# Altium PCB yard-ice-2.PcbDoc (part 1 of 2)
Units mm, origin at the board's own origin, x right, y up, seen from the top; angles counter-clockwise.
Board outline 109.14 x 69.34 mm, 2 copper layers (Top Layer, Bottom Layer), stack 1.611 mm thick; 191 components, 223 nets, 915 pads, 95 vias.
Unrouted connection lines stored in the file: 485.
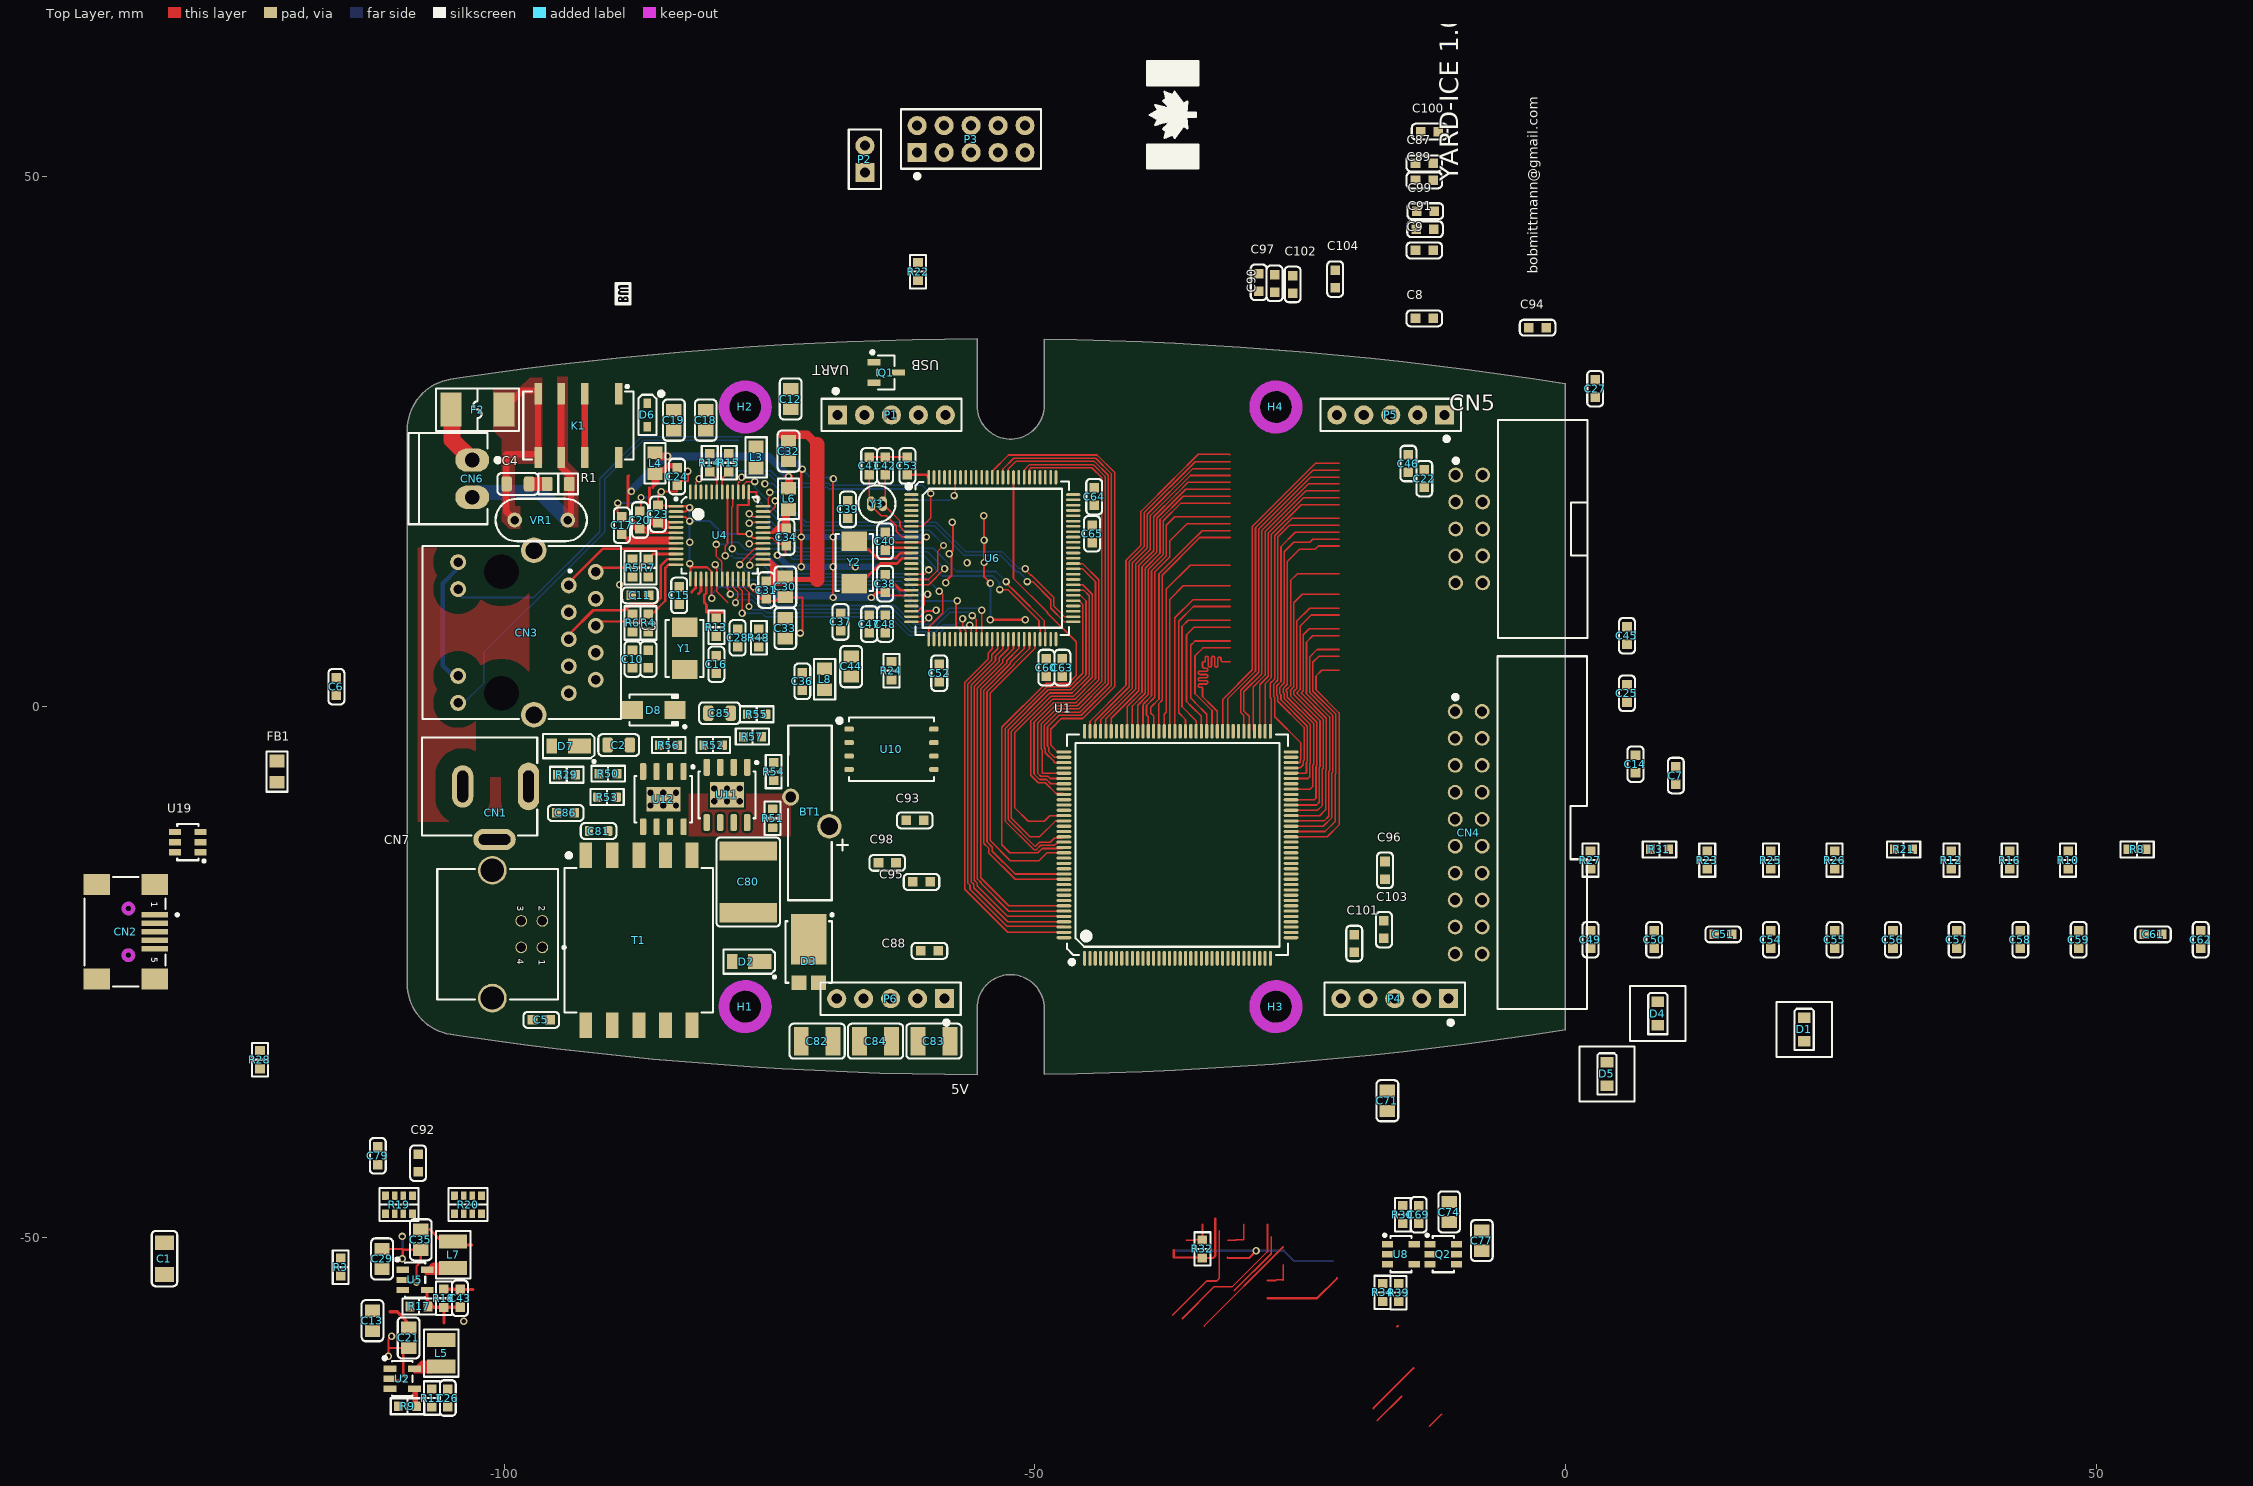
[diagram p0: Top Layer view]
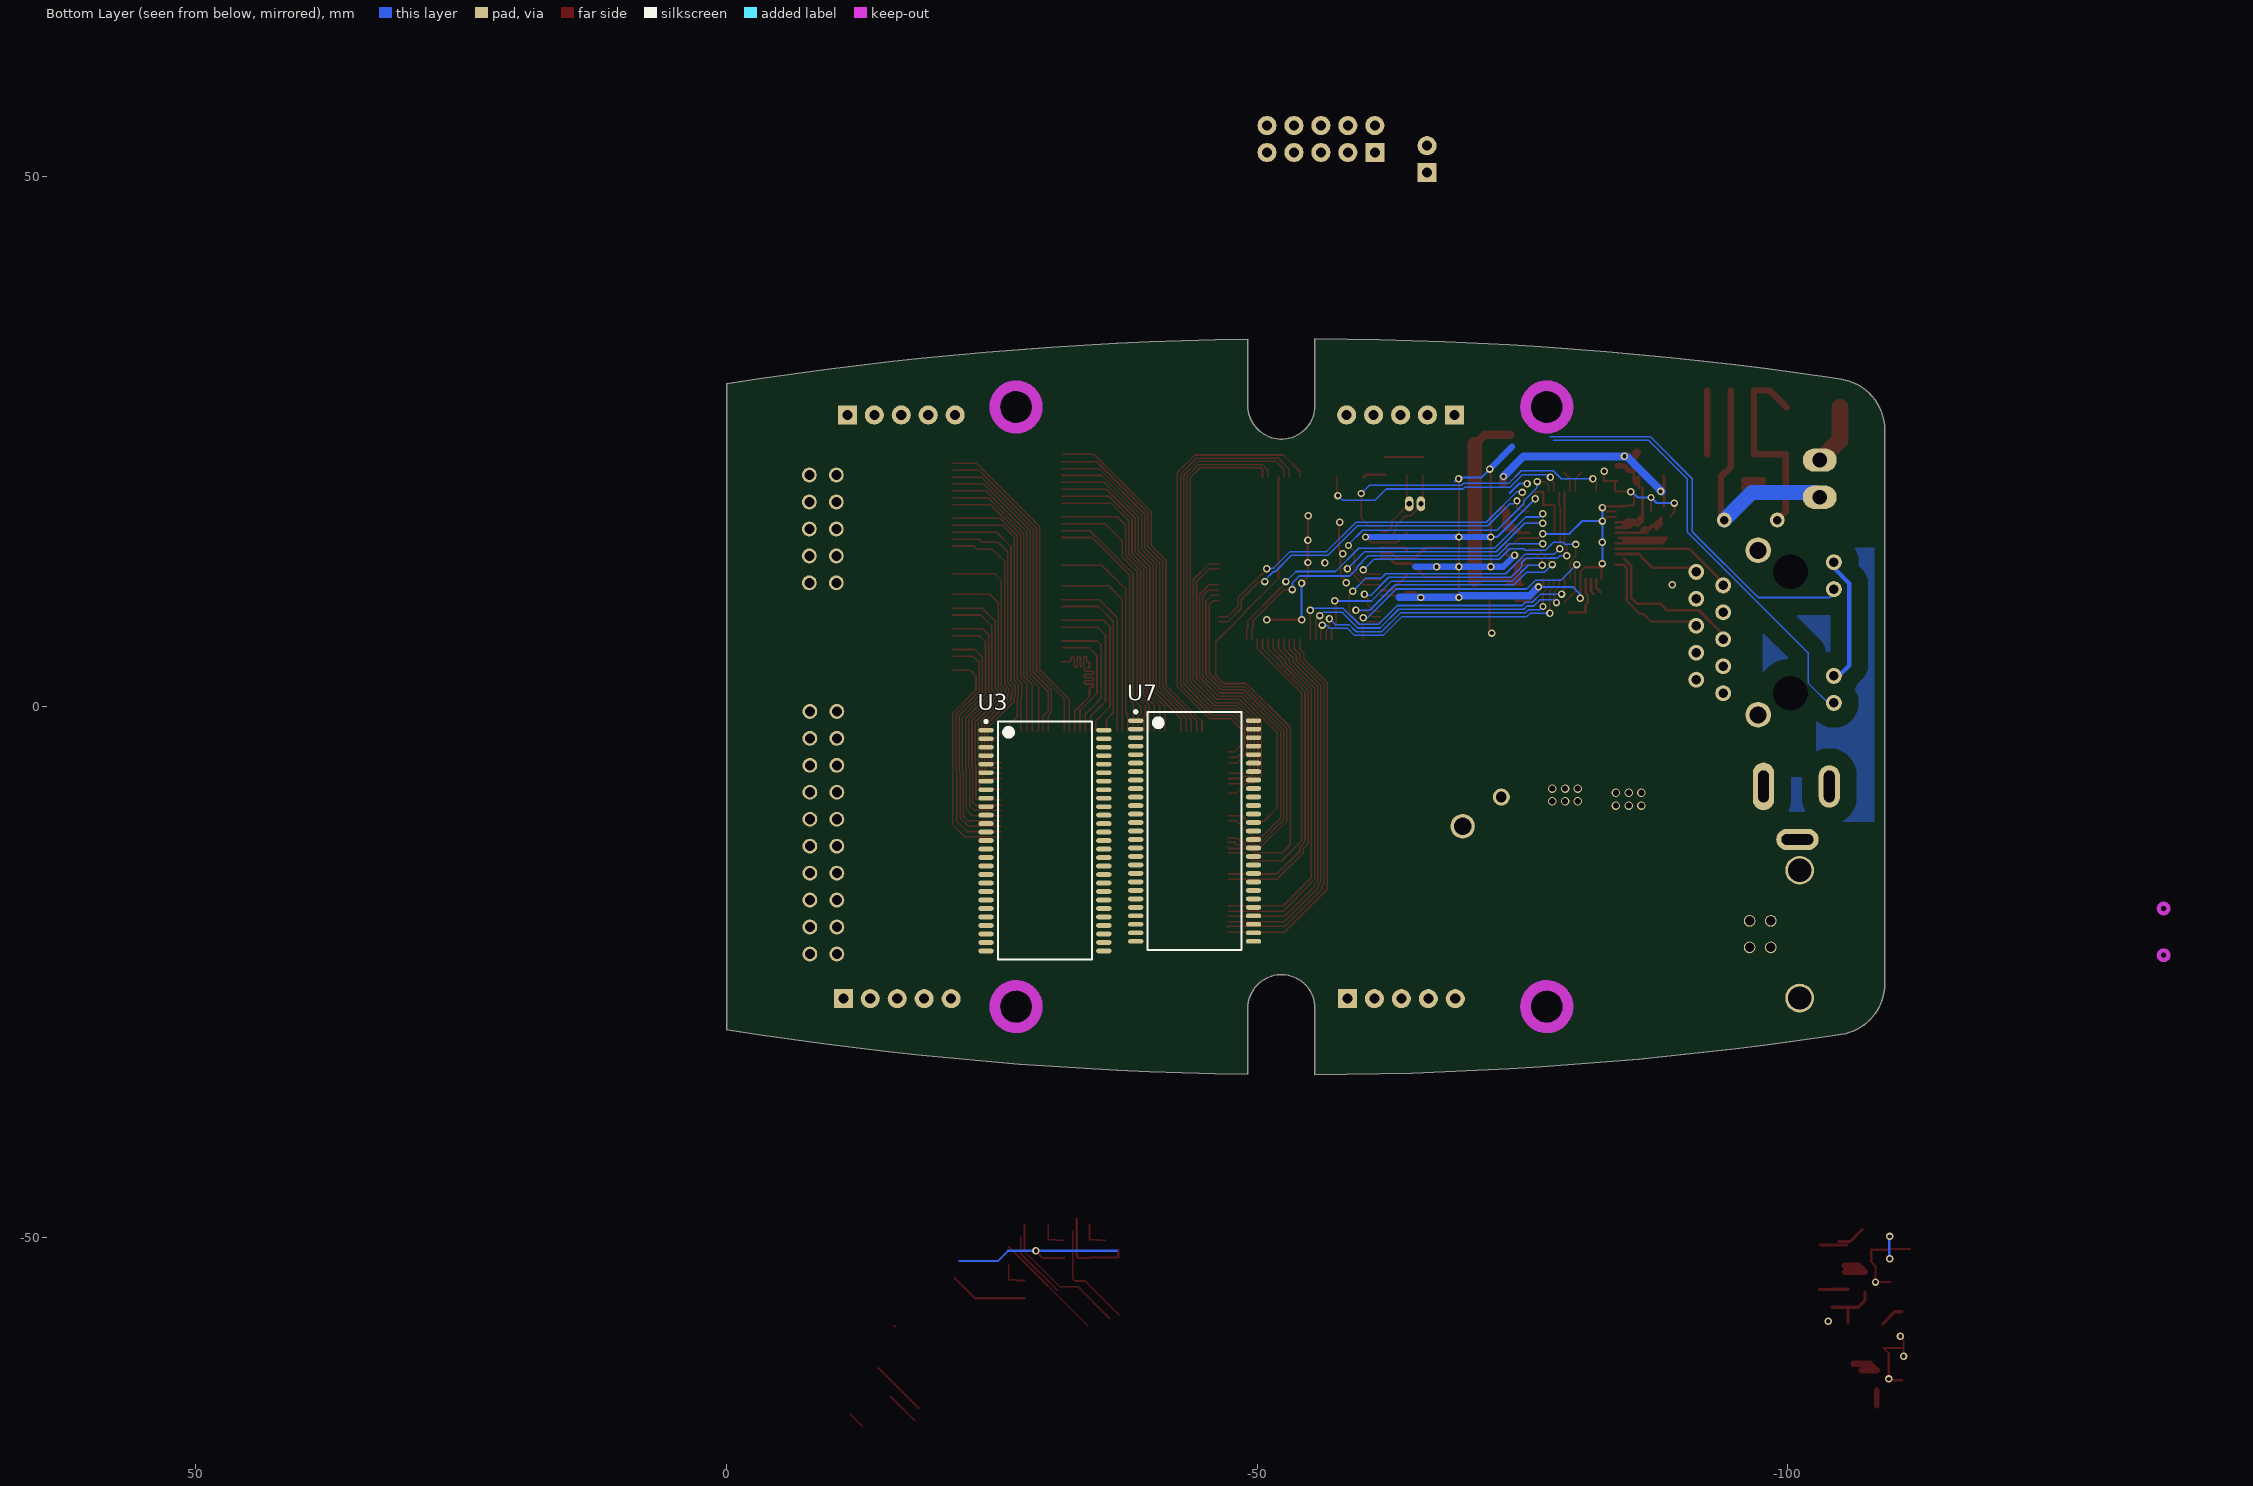
[diagram p1: Bottom Layer view, seen from below]

## Layer stack, top to bottom
Top Solder: solder mask 0.0102, Solder Resist, Dk 3.5
Top Layer: signal copper 0.0356
Dielectric1: core 1.54, FR-4, Dk 4.8
Bottom Layer: signal copper 0.0356
Bottom Solder: solder mask 0.0102, Solder Resist, Dk 3.5

## Board outline
-105.054,-30.861 -104.179,-31.003 ccw(c-53.972,310.732) -55.44,-34.668 -55.44,-28.392 cw(c-52.278,-28.392) -49.115,-28.392 -49.115,-34.637 ccw(c-53.972,310.732) 0,-30.429 0,30.429 ccw(c-53.972,-310.732) -49.115,34.637 -49.115,28.392 cw(c-52.278,28.392) -55.44,28.392 -55.44,34.668 ccw(c-53.972,-310.732) -104.179,31.003 -105.054,30.861 ccw(c-104.278,26.063) -109.138,26.063 -109.138,-26.063 ccw(c-104.278,-26.063)

## Design rules (kind name [scope] priority, off if disabled: settings)
Clearance Clearance_2 [InNamedPolygon('Top-Layer-GND_EARTH') OR InNamedPolygon('Bottom-Layer-GND_EARTH')] p1: gap=1.6 ignorepadtopadclearanceinfootprint=FALSE except(0: Arc-Hole Track-Hole SMDPad-Hole THPad-Hole Via-Hole Fill-Hole Poly-Hole Region-Hole Text-Hole)
Clearance Clearance_4 [InNamedPolygon('Top-Layer-GND') OR  InNamedPolygon('Bottom-Layer-GND') OR InNamedPolygon('Bottom-Layer-VCC_3.3')] p2: gap=0.25 ignorepadtopadclearanceinfootprint=FALSE except(0: Arc-Hole Track-Hole SMDPad-Hole THPad-Hole Via-Hole Fill-Hole Poly-Hole Region-Hole Text-Hole)
Clearance Clearance_1 [InNetClass('HV') vs InNetClass('HV')] p3: gap=1.2 ignorepadtopadclearanceinfootprint=FALSE except(0: Arc-Hole Track-Hole SMDPad-Hole THPad-Hole Via-Hole Fill-Hole Poly-Hole Region-Hole Text-Hole)
Clearance [All] p4: gap=0.15 ignorepadtopadclearanceinfootprint=FALSE except(0: Arc-Hole Track-Hole SMDPad-Hole THPad-Hole Via-Hole Fill-Hole Poly-Hole Region-Hole Text-Hole; 0.2: Arc-Fill Arc-Poly Arc-Region Track-Fill Track-Poly Track-Region SMDPad-Fill SMDPad-Poly SMDPad-Region THPad-Fill THPad-Poly THPad-Region Via-Fill Via-Poly Via-Region Fill-Fill Fill-Poly Fill-Region Poly-Poly Poly-Region Region-Region)
ComponentClearance [All] p1: gap=0 collisioncheckmode=3 verticalgap=0 showdistances=FALSE
DiffPairsRouting [All] p1: maxlimit=0.3 minlimit=0.15 mostfreqgap=0.15 toplayer_minwidth=0.15 toplayer_maxwidth=0.156 toplayer_prefwidth=0.15 bottomlayer_minwidth=0.15 bottomlayer_maxwidth=0.156 bottomlayer_prefwidth=0.15 maxuncoupledlength=12.7
HoleSize [All] p1: absolutevalues=TRUE maxlimit=8 minlimit=0.025 maxpercent=80.000 minpercent=20.000
HoleToHoleClearance [All] p1: gap=0.2 allowstackedmicrovias=TRUE
MatchedLengths "Schematic Matched Net Lengths_2" [InNetClass('SRAM_DQ[0..31]')] p1: tolerance=10 checknetsindiffpair=FALSE checkdiffpairvsdiffpair=TRUE checkxsignals=TRUE checkothers=TRUE
MatchedLengths "Schematic Matched Net Lengths_1" [InNetClass('SRAM_A[0..12]')] p2: tolerance=10 checknetsindiffpair=FALSE checkdiffpairvsdiffpair=TRUE checkxsignals=TRUE checkothers=TRUE
MinimumSolderMaskSliver [All] p1: minsoldermaskwidth=0.1
PlaneConnect PlaneConnect_Via [IsVia] p1: planeconnectstyle=Direct reliefexpansion=0.508 reliefentries=4 reliefconductorwidth=0.254 reliefairgap=0.254
PlaneConnect [All] p2: planeconnectstyle=Relief reliefexpansion=0.508 reliefentries=4 reliefconductorwidth=0.254 reliefairgap=0.254
PolygonConnect PolygonConnect_Via [IsVia] p1: connectstyle=Direct reliefconductorwidth=0.254 reliefentries=4 polygonreliefangle="90 Angle" airgapwidth=0.254
PolygonConnect [All] p2: connectstyle=Direct reliefconductorwidth=0.25 reliefentries=4 polygonreliefangle="90 Angle" airgapwidth=0.254
RoomDefinition "FPGA Power" [InComponentClass('FPGA Power')] p1: confinementstyle=ConfineIn formatcopy=TRUE lockcomponents=FALSE outline -148.5,-43.1 41.8,-43.1 41.8,55.6 -148.5,55.6
RoomDefinition yard-ice-2-toplevel [InComponentClass('yard-ice-2-toplevel')] p2: confinementstyle=ConfineIn formatcopy=TRUE lockcomponents=FALSE outline -121,-37.5 11.5,-37.5 11.5,37 -121,37
RoomDefinition Power [InComponentClass('Power')] p3: confinementstyle=ConfineIn formatcopy=TRUE lockcomponents=FALSE outline -119.7,-42 -8.138,-42 -8.138,66 -119.7,66
RoomDefinition FPGA [InComponentClass('FPGA')] p4: confinementstyle=ConfineIn formatcopy=TRUE lockcomponents=FALSE outline -113.1,-45.5 2.262,-45.5 2.262,38.9 -113.1,38.9
RoomDefinition Ethernet [InComponentClass('Ethernet')] p5: confinementstyle=ConfineIn formatcopy=TRUE lockcomponents=FALSE outline -120.3,-38.5 -35.8,-38.5 -35.8,31.5 -120.3,31.5
RoomDefinition CPU [InComponentClass('CPU')] p6: confinementstyle=ConfineIn formatcopy=TRUE lockcomponents=FALSE outline -77.188,-30.512 -17.038,-30.512 -17.038,32.413 -77.188,32.413
RoutingVias [All] p1: holewidth=0.4 width=0.7 viastyle="Through Hole" minholewidth=0.4 minwidth=0.7 maxholewidth=1.6 maxwidth=2
SilkToSilkClearance [All] p1: silktosilkclearance=0
SilkToSolderMaskClearance SilkscreenOverComponentPads [IsPad] p1: minsilkscreentomaskgap=0.2 clearancetoexposedcopper=TRUE
SolderMaskExpansion [All] p1: expansion=0.102
Width [All] p1: maxlimit=4 minlimit=0.15 preferedwidth=0.2
22 further rules are at their usual default settings.

## Classes and differential pairs
component class yard-ice-2-toplevel: C4 C5 C6 C7 C14 C22 C25 C79 CN2 CN4 CN5 CN6 CN7 D4 D5 D6 F2 FB1 H1 H2 H3 H4 K1 P1 P3 P4 P5 P6 Q1 R1 R8 R10 R12 R16 R19 R20 R21 R23 R25 R26 R27 R31 R32 U10 U19 VR1
component class Power: C1 C2 C13 C21 C26 C29 C35 C43 C69 C74 C77 C80 C81 C82 C83 C84 C85 C86 CN1 D1 D2 D3 D7 D8 L5 L7 Q2 R3 R9 R11 R17 R18 R29 R30 R34 R39 R50 R51 R52 R53 R54 R55 R56 R57 T1 U2 U5 U8 U11 U12
component class Ethernet: C3 C10 C11 C12 C15 C16 C17 C18 C19 C20 C23 C24 C28 C30 C31 C34 CN3 L3 L4 L6 R4 R5 R6 R7 R13 R14 R15 U4 Y1
component class CPU: BT1 C32 C33 C36 C37 C38 C39 C40 C41 C42 C44 C47 C48 C52 C53 C60 C63 C64 C65 C71 L8 P2 R22 R24 R48 U6 Y2 Y3
component class FPGA: C27 C45 C46 C49 C50 C51 C54 C55 C56 C57 C58 C59 C61 C62 R28 U3 U7
net class POWER: FB1 FB2 GND LX1 LX2 VCC_1.2 VCC_3.3 VCC_5
net class HV: NetCN6_1 RLY_C RLY_NO
component class "FPGA Power": C8 C9 C87 C88 C89 C90 C91 C92 C93 C94 C95 C96 C97 C98 C99 C100 C101 C102 C103 C104 U1
net class SRAM_A[0..12]: SRAM_A0 SRAM_A1 SRAM_A2 SRAM_A3 SRAM_A4 SRAM_A5 SRAM_A6 SRAM_A7 SRAM_A8 SRAM_A9 SRAM_A10 SRAM_A11
net class SRAM_DQ[0..31]: SRAM_DQ0 SRAM_DQ1 SRAM_DQ2 SRAM_DQ3 SRAM_DQ4 SRAM_DQ5 SRAM_DQ6 SRAM_DQ7 SRAM_DQ8 SRAM_DQ9 SRAM_DQ10 SRAM_DQ11 SRAM_DQ12 SRAM_DQ13 SRAM_DQ14 SRAM_DQ15 SRAM_DQ16 SRAM_DQ17 SRAM_DQ18 SRAM_DQ19 SRAM_DQ20 SRAM_DQ21 SRAM_DQ22 SRAM_DQ23 SRAM_DQ24 SRAM_DQ25 SRAM_DQ26 SRAM_DQ27 SRAM_DQ28 SRAM_DQ29 SRAM_DQ30 SRAM_DQ31

## Components (designator, comment, footprint, x,y, rotation, side; value= is the part's Value field where it differs from the comment)
BT1 "0000-00" CR-1632/VCN -71.175,-10 r90 top value=CR-1632/VCN
C1 "000463" C1206M -132,-52 r270 top value="1nF 1KV"
C2 "000000" C0805HV -89.2,-3.6 r0 top value="0.1uF 100V"
C3 "000500" C0603M -86.4,4.5 r270 top value="0.1uF 25V"
C4 "000000" C0805HV -98.7,21 r180 top value=1uF
C5 "000500" C0603M -96.5,-29.5 r180 top value="0.1uF 25V"
C6 "000500" C0603M -115.8,1.9 r90 top value="0.1uF 25V"
C7 "000500" C0603M 10.4,-6.475 r90 top value="0.1uF 25V"
C8 "000500" C0603M -13.3,36.6 r0 top value="0.1uF 25V"
C9 "000500" C0603M -13.3,43 r0 top value="0.1uF 25V"
C10 "000500" C0603M -87.9,4.5 r270 top value="0.1uF 25V"
C11 "000500" C0603M -87.2,10.5 r180 top value="0.1uF 25V"
C12 "000510" C0805M -73,29 r90 top value="10uF 10V"
C13 "000510" C0805M -112.4,-57.85 r90 top value="10uF 10V"
C14 "000288" C0603M 6.6,-5.4 r270 top value=100pF
C15 "000515" C0603M -83.5,10.5 r270 top value=27pF
C16 "000515" C0603M -80,4 r90 top value=27pF
C17 "000500" C0603M -88.9,17.1 r90 top value="0.1uF 25V"
C18 "000510" C0805M -81,27 r90 top value="10uF 10V"
C19 "000510" C0805M -84,27 r90 top value="10uF 10V"
C20 "000500" C0603M -87.2,17.6 r90 top value="0.1uF 25V"
C21 "000510" C0805M -109,-59.45 r270 top value="10uF 10V"
C22 "000288" C0603M -13.3,21.5 r90 top value=100pF
C23 "000500" C0603M -85.5,18.15 r90 top value="0.1uF 25V"
C24 "000500" C0603M -83.7,21.7 r270 top value="0.1uF 25V"
C25 "000288" C0603M 5.8,1.275 r90 top value=100pF
C26 "000486" C0603M -105.3,-65.125 r270 top value=18pF
C27 "000500" C0603M 2.8,29.975 r90 top value="0.1uF 25V"
C28 "000288" C0603M -78,6.5 r270 top value=100pF
C29 "000510" C0805M -111.5,-52.025 r90 top value="10uF 10V"
C30 "000510" C0805M -73.5,11.3 r270 top value="10uF 10V"
C31 "000500" C0603M -75.3,11 r270 top value="0.1uF 25V"
C32 "000510" C0805M -73.2,24.1 r270 top value="10uF 10V"
C33 "000510" C0805M -73.5,7.4 r270 top value="10uF 10V"
C34 "000500" C0603M -73.4,16 r270 top value="0.1uF 25V"
C35 "000510" C0805M -107.85,-50.2 r270 top value="10uF 10V"
C36 "000500" C0603M -71.9,2.4 r90 top value="0.1uF 25V"
C37 "000515" C0603M -68.3,8 r90 top value=27pF
C38 "000500" C0603M -64.1,11.6 r270 top value="0.1uF 25V"
C39 "000515" C0603M -67.6,18.6 r270 top value=27pF
C40 "000500" C0603M -64.1,15.6 r90 top value="0.1uF 25V"
C41 "000507" C0603M -65.6,22.7 r270 top value=6.8pF
C42 "000507" C0603M -64.1,22.7 r270 top value=6.8pF
C43 "000486" C0603M -104.15,-55.725 r270 top value=18pF
C44 "000510" C0805M -67.3,3.8 r270 top value="10uF 10V"
C45 "000500" C0603M 5.8,6.7 r90 top value="0.1uF 25V"
C46 "000500" C0603M -14.8,22.925 r90 top value="0.1uF 25V"
C47 "000500" C0603M -65.6,7.8 r270 top value="0.1uF 25V"
C48 "000500" C0603M -64.1,7.8 r270 top value="0.1uF 25V"
C49 "000500" C0603M 2.361,-21.937 r90 top value="0.1uF 25V"
C50 "000500" C0603M 8.361,-21.937 r90 top value="0.1uF 25V"
C51 "000500" C0603M 14.861,-21.437 r0 top value="0.1uF 25V"
C52 "000500" C0603M -59,3.175 r270 top value="0.1uF 25V"
C53 "000500" C0603M -62,22.7 r90 top value="0.1uF 25V"
C54 "000500" C0603M 19.361,-21.937 r90 top value="0.1uF 25V"
C55 "000500" C0603M 25.361,-21.937 r90 top value="0.1uF 25V"
C56 "000500" C0603M 30.861,-21.937 r90 top value="0.1uF 25V"
C57 "000500" C0603M 36.861,-21.937 r90 top value="0.1uF 25V"
C58 "000500" C0603M 42.861,-21.937 r90 top value="0.1uF 25V"
C59 "000500" C0603M 48.361,-21.937 r90 top value="0.1uF 25V"
C60 "000071" C0603M -48.9,3.7 r270 top value="2.2uF 10V"
C61 "000500" C0603M 55.361,-21.437 r0 top value="0.1uF 25V"
C62 "000500" C0603M 59.861,-21.937 r90 top value="0.1uF 25V"
C63 "000500" C0603M -47.4,3.7 r270 top value="0.1uF 25V"
C64 "000500" C0603M -44.4,19.8 r90 top value="0.1uF 25V"
C65 "000071" C0603M -44.6,16.3 r270 top value="2.2uF 10V"
C69 "000288" C0603M -13.825,-47.85 r90 top value=100pF
C71 "000510" C0805M -16.775,-37.125 r90 top value="10uF 10V"
C74 "000510" C0805M -10.95,-47.6 r90 top value="10uF 10V"
C77 "000510" C0805M -7.875,-50.3 r90 top value="10uF 10V"
C79 "000500" C0603M -111.9,-42.3 r90 top value="0.1uF 25V"
C80 "000000" C2220M -77,-16.5 r90 top value="10uF 100V"
C81 "000000" C0603HV -91.1,-11.7 r0 top value=270pF
C82 "000000" C1210M -70.5,-31.5 r180 top value="100uF 10V"
C83 "000000" C1210M -59.5,-31.5 r180 top value="100uF 10V"
C84 "000000" C1210M -65,-31.5 r180 top value="100uF 10V"
C85 "000000" C0805HV -79.7,-0.6 r0 top value="0.1uF 100V"
C86 "000000" C0603M -94.2,-10 r180 top value="1uF 25V"
C87 "000500" C0603M -13.3,51.2 r0 top value="0.1uF 25V"
C88 "000500" C0603M -59.925,-23 r180 top value="0.1uF 25V"
C89 "000500" C0603M -13.3,49.6 r0 top value="0.1uF 25V"
C90 "000500" C0603M -27.4,39.9 r270 top value="0.1uF 25V"
C91 "000500" C0603M -13.225,45 r0 top value="0.1uF 25V"
C92 "000500" C0603M -108.1,-43 r90 top value="0.1uF 25V"
C93 "000500" C0603M -61.3,-10.7 r180 top value="0.1uF 25V"
C94 "000500" C0603M -2.625,35.725 r180 top value="0.1uF 25V"
C95 "000500" C0603M -60.675,-16.5 r180 top value="0.1uF 25V"
C96 "000500" C0603M -17,-15.4 r90 top value="0.1uF 25V"
C97 "000500" C0603M -28.9,40 r270 top value="0.1uF 25V"
C98 "000500" C0603M -63.9,-14.7 r180 top value="0.1uF 25V"
C99 "000500" C0603M -13.2,46.7 r0 top value="0.1uF 25V"
C100 "000500" C0603M -12.8,54.2 r0 top value="0.1uF 25V"
C101 "000500" C0603M -19.9,-22.3 r90 top value="0.1uF 25V"
C102 "000500" C0603M -25.7,39.8 r270 top value="0.1uF 25V"
C103 "000500" C0603M -17.1,-21 r90 top value="0.1uF 25V"
C104 "000500" C0603M -21.7,40.3 r270 top value="0.1uF 25V"
CN1 "000000" KLDX-0202 -97.7,-7.5 r0 top value=XKLD-0202
CN2 "000000" 1734035 -135.4,-21.2 r270 top value=1734035
CN3 "000000" 7499210121A -100.2,7 r270 top value=7499210121A
CN4 "000514" TST-110-04-G-D-RA -9.12,-11.86 r0 top value=2520-5002UB
CN5 "000000" TST-105-04-G-D-RA -9.07,16.76 r0 top value=5X2
CN6 "000000" 691322110002 -103,21.5 r270 top
CN7 "*" 4-1734376 -98.745,-21.42 r270 top
D1 "000428" "LED0805L LP" 22.5,-30.4 r270 top value=Green
D2 "000327" "PowerDI 123" -76.9,-24 r180 top value=SBR3U30P1
D3 "000000" "PowerDI 5" -71.3,-23.1 r270 top value=PDS835L
D4 "000520" "LED0805L LP" 8.7,-28.9 r270 top value=Blue
D5 "000527" "LED0805L LP" 3.91,-34.59 r270 top value=Red
D6 "0000-00" SOD-323-M -86.5,27.5 r270 top
D7 "000000" "PowerDI 123" -93.9,-3.7 r180 top value=PD3S160
D8 "000000" DO-214AC -85.9,-0.3 r180 top value=SMAJ58A
F2 "000000" F2410 -102.5,28 r180 top value=4A
FB1 "000000" L0805M -121.4,-6.1 r90 top value=100R@100MHz
H1 "Hole Non Plated" "Hole NP 3.2x5.0x5.0" -77.28,-28.25 r0 top locked
H2 "Hole Non Plated" "Hole NP 3.2x5.0x5.0" -77.28,28.25 r0 top
H3 "Hole Non Plated" "Hole NP 3.2x5.0x5.0" -27.28,-28.25 r0 top locked
H4 "Hole Non Plated" "Hole NP 3.2x5.0x5.0" -27.28,28.25 r0 top locked
K1 "000504" Relay-10X6 -93,26.5 r90 top value=IM03GR
L3 "000508" L0805M -76.25,23.5 r90 top value=300R@100MHz
L4 "000508" L0805M -85.775,22.95 r90 top value=300R@100MHz
L5 "000314" L1210M -105.925,-60.9 r90 top value=3.3uH
L6 "000508" L0805M -73.2,19.6 r90 top value=300R@100MHz
L7 "000314" L1210M -104.8,-51.625 r90 top value=3.3uH
L8 "000508" L0805M -69.8,2.6 r90 top value=300R@100MHz
P1 "000000" TSW-105-07-G-S -63.5,27.5 r0 top value=5x1
P2 "000PTH" TSW-102-07-G-S -66,51.6 r90 top value=2x1
P3 "000000" TSW-105-07-G-D -56,53.5 r90 top
P4 "000000" TSW-105-07-G-S -16.08,-27.5 r180 top value=5x1
P5 "000000" TSW-105-07-G-S -16.46,27.5 r180 top value=5x1
P6 "000000" TSW-105-07-G-S -63.58,-27.5 r180 top value=5x1
Q1 "000000" SOT-23-M -64,31.5 r0 top value=2N7002P
Q2 "000000" SOT-26 -11.5,-51.575 r0 top value=PMN34UN,135
R1 "000000" R0805HV -94.9,21 r0 top value=1K
R3 "000299" R0603M -115.4,-52.8 r270 top value=220R
R4 "000095" R0603M -86.4,7.9 r90 top value="49.4R 1%"
R5 "000095" R0603M -87.9,13.1 r90 top value="49.4R 1%"
R6 "000095" R0603M -87.9,7.9 r90 top value="49.4R 1%"
R7 "000095" R0603M -86.4,13.1 r90 top value="49.4R 1%"
R8 "000300" R0603M 53.861,-13.437 r0 top value="10K 1%"
R9 "000443" R0603M -109.1,-65.9 r0 top value="25.5K 1%"
R10 "000300" R0603M 47.361,-14.437 r90 top value="10K 1%"
R11 "000511" R0603M -106.8,-65.125 r90 top value="115K 1%"
R12 "000181" R0603M 36.361,-14.437 r90 top value="470R 5%"